# Altium PCB BMS_Slave_12S V0.1.PcbDoc (part 1 of 2) (continued)
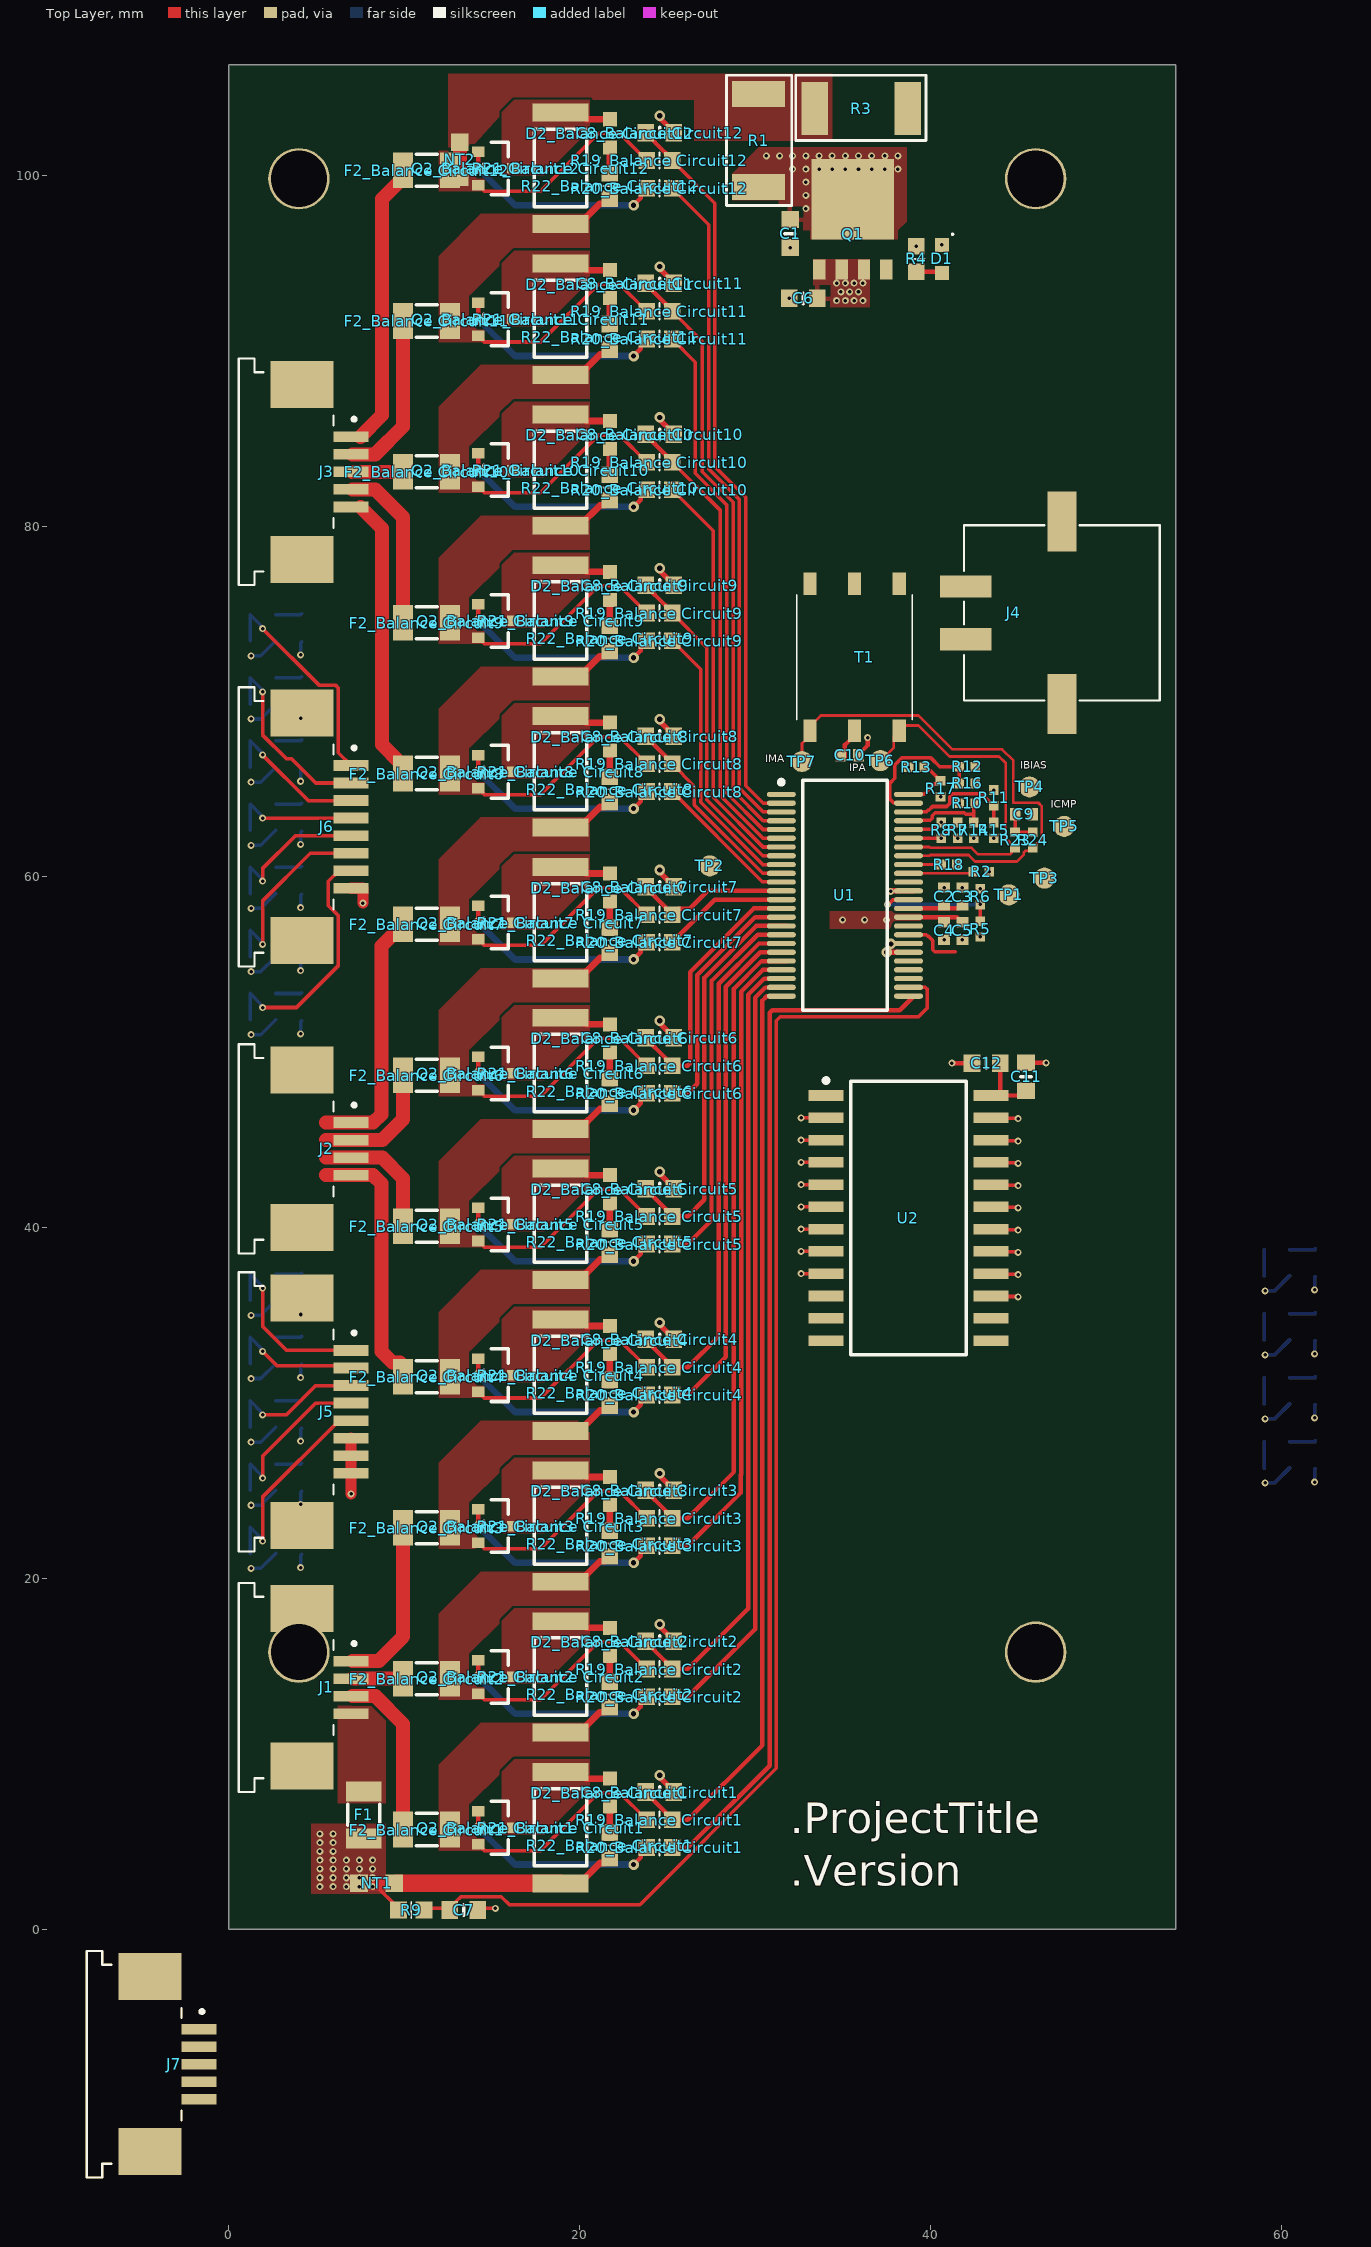
[diagram p0: Top Layer view]
## Design rules (kind name [scope] priority, off if disabled: settings) (continued)
RoomDefinition "NTC Sense7" [InComponentClass('NTC Sense7')] p12: confinementstyle=ConfineIn formatcopy=TRUE lockcomponents=FALSE outline 0.2,54.4 5.2,54.4 5.2,58 0.2,58
RoomDefinition "NTC Sense8" [InComponentClass('NTC Sense8')] p13: confinementstyle=ConfineIn formatcopy=TRUE lockcomponents=FALSE outline 0.2,58 5.2,58 5.2,61.6 0.2,61.6
RoomDefinition "NTC Sense13" [InComponentClass('NTC Sense13')] p14: confinementstyle=ConfineIn formatcopy=TRUE lockcomponents=FALSE outline 58,25.25 63,25.25 63,28.85 58,28.85
RoomDefinition "NTC Sense14" [InComponentClass('NTC Sense14')] p15: confinementstyle=ConfineIn formatcopy=TRUE lockcomponents=FALSE outline 58,28.9 63,28.9 63,32.5 58,32.5
RoomDefinition "NTC Sense16" [InComponentClass('NTC Sense16')] p16: confinementstyle=ConfineIn formatcopy=TRUE lockcomponents=FALSE outline 58,36.2 63,36.2 63,39.8 58,39.8
RoomDefinition "NTC Sense15" [InComponentClass('NTC Sense15')] p17: confinementstyle=ConfineIn formatcopy=TRUE lockcomponents=FALSE outline 58,32.55 63,32.55 63,36.15 58,36.15
RoomDefinition "Balance Circuit12" [InComponentClass('Balance Circuit12')] p18: confinementstyle=ConfineIn formatcopy=TRUE lockcomponents=FALSE outline 8.675,96.09 26.375,96.09 26.375,104.69 8.675,104.69
RoomDefinition "Balance Circuit8" [InComponentClass('Balance Circuit8')] p19: confinementstyle=ConfineIn formatcopy=TRUE lockcomponents=FALSE outline 8.675,61.69 26.375,61.69 26.375,70.29 8.675,70.29
RoomDefinition "Balance Circuit5" [InComponentClass('Balance Circuit5')] p20: confinementstyle=ConfineIn formatcopy=TRUE lockcomponents=FALSE outline 8.675,35.89 26.375,35.89 26.375,44.49 8.675,44.49
RoomDefinition "Balance Circuit4" [InComponentClass('Balance Circuit4')] p21: confinementstyle=ConfineIn formatcopy=TRUE lockcomponents=FALSE outline 8.675,27.29 26.375,27.29 26.375,35.89 8.675,35.89
RoomDefinition "Balance Circuit7" [InComponentClass('Balance Circuit7')] p22: confinementstyle=ConfineIn formatcopy=TRUE lockcomponents=FALSE outline 8.675,53.09 26.375,53.09 26.375,61.69 8.675,61.69
RoomDefinition "Balance Circuit6" [InComponentClass('Balance Circuit6')] p23: confinementstyle=ConfineIn formatcopy=TRUE lockcomponents=FALSE outline 8.675,44.49 26.375,44.49 26.375,53.09 8.675,53.09
RoomDefinition "Balance Circuit9" [InComponentClass('Balance Circuit9')] p24: confinementstyle=ConfineIn formatcopy=TRUE lockcomponents=FALSE outline 8.675,70.29 26.375,70.29 26.375,78.89 8.675,78.89
RoomDefinition "Balance Circuit10" [InComponentClass('Balance Circuit10')] p25: confinementstyle=ConfineIn formatcopy=TRUE lockcomponents=FALSE outline 8.675,78.89 26.375,78.89 26.375,87.49 8.675,87.49
RoomDefinition "Balance Circuit11" [InComponentClass('Balance Circuit11')] p26: confinementstyle=ConfineIn formatcopy=TRUE lockcomponents=FALSE outline 8.675,87.49 26.375,87.49 26.375,96.09 8.675,96.09
RoomDefinition "Balance Circuit1" [InComponentClass('Balance Circuit1')] p27: confinementstyle=ConfineIn formatcopy=TRUE lockcomponents=FALSE outline 8.675,1.49 26.375,1.49 26.375,10.09 8.675,10.09
RoomDefinition "Balance Circuit2" [InComponentClass('Balance Circuit2')] p28: confinementstyle=ConfineIn formatcopy=TRUE lockcomponents=FALSE outline 8.675,10.09 26.375,10.09 26.375,18.69 8.675,18.69
RoutingVias [All] p1: holewidth=0.3 width=0.6 viastyle="Through Hole" minholewidth=0.2 minwidth=0.4 maxholewidth=0.4 maxwidth=0.7
ShortCircuit ShortCircuit_NT [HasFootprint('NetTie')] p1: allowed=TRUE
ShortCircuit [All] p2: allowed=FALSE
SilkToSilkClearance [All] p1: silktosilkclearance=0
SilkToSolderMaskClearance [IsPad] p1: minsilkscreentomaskgap=0.152 clearancetoexposedcopper=TRUE
SolderMaskExpansion SolderMaskExpansion_NT [HasFootprint('NetTie')] p1: expansion=0.102 istentingtop=TRUE
SolderMaskExpansion SolderMaskExpansion_Via [isvia] p2: expansion=0.102 istentingtop=TRUE
SolderMaskExpansion [All] p3: expansion=0.051 istentingtop=FALSE
Width [All] p1: maxlimit=2.54 minlimit=0.152 preferedwidth=0.203
20 further rules are at their usual default settings.

## Classes and differential pairs
channel class "NTC Sense V0.1": "NTC Sense1" "NTC Sense2" "NTC Sense3" "NTC Sense4" "NTC Sense5" "NTC Sense6" "NTC Sense7" "NTC Sense8" "NTC Sense9" "NTC Sense10" "NTC Sense11" "NTC Sense12" "NTC Sense13" "NTC Sense14" "NTC Sense15" "NTC Sense16"
channel class "Balance V0.1": "Balance Circuit1" "Balance Circuit2" "Balance Circuit3" "Balance Circuit4" "Balance Circuit5" "Balance Circuit6" "Balance Circuit7" "Balance Circuit8" "Balance Circuit9" "Balance Circuit10" "Balance Circuit11" "Balance Circuit12"
differential pair class isoSPI: isoSPI. PORTA
net class Vc[12..1]: Vc1 Vc2 Vc3 Vc4 Vc5 Vc6 Vc7 Vc8 Vc9 Vc10 Vc11 Vc12
net class T[12..1]: B2 B3 B4 B5 B6 B7 B8 B9 B10 B11 B12 T12
net class S[12..1]: S1 S2 S3 S4 S5 S6 S7 S8 S9 S10 S11 S12
net class Out[16..1]: Out1 Out2 Out3 Out4 Out5 Out6 Out7 Out8 Out9 Out10 Out11 Out12 Out13 Out14 Out15 Out16
net class NTC[16..1]: NTC1 NTC2 NTC3 NTC4 NTC5 NTC6 NTC7 NTC8 NTC9 NTC10 NTC11 NTC12 NTC13 NTC14 NTC15 NTC16
net class C[12..1]: C1 C2 C3 C4 C5 C6 C7 C8 C9 C10 C11 C12
net class BalanceNetClass: B1 B2 B3 B4 B5 B6 B7 B8 B9 B10 B11 B12 "NetD2_Balance Circuit1_2" "NetD2_Balance Circuit2_2" "NetD2_Balance Circuit3_2" "NetD2_Balance Circuit4_2" "NetD2_Balance Circuit5_2" "NetD2_Balance Circuit6_2" "NetD2_Balance Circuit7_2" "NetD2_Balance Circuit8_2" "NetD2_Balance Circuit9_2" "NetD2_Balance Circuit10_2" "NetD2_Balance Circuit11_2" "NetD2_Balance Circuit12_2" T12
net class B[12..1]: B1 B2 B3 B4 B5 B6 B7 B8 B9 B10 B11 B12
component class "U_Temperature Sensing": C11 C12 J5 J6 J7 U2
component class U_IsoSPI: C1 C6 J2 R1 R3 T1
component class "U_Cell Monitor": C1 C2 C3 C4 C5 D1 F1 J2 J4 NT1 NT2 Q1 R1 R2 R3 R4 R5 R6 R18 S1 TP1 TP2 TP3 TP4 TP5 TP6 TP7 U1
component class "NTC Sense16": "C13_NTC Sense16" "R25_NTC Sense16"
component class "NTC Sense15": "C13_NTC Sense15" "R25_NTC Sense15"
component class "NTC Sense14": "C13_NTC Sense14" "R25_NTC Sense14"
component class "NTC Sense13": "C13_NTC Sense13" "R25_NTC Sense13"
component class "NTC Sense12": "C13_NTC Sense12" "R25_NTC Sense12"
component class "NTC Sense11": "C13_NTC Sense11" "R25_NTC Sense11"
component class "NTC Sense10": "C13_NTC Sense10" "R25_NTC Sense10"
component class "NTC Sense9": "C13_NTC Sense9" "R25_NTC Sense9"
component class "NTC Sense8": "C13_NTC Sense8" "R25_NTC Sense8"
component class "NTC Sense7": "C13_NTC Sense7" "R25_NTC Sense7"
component class "NTC Sense6": "C13_NTC Sense6" "R25_NTC Sense6"
component class "NTC Sense5": "C13_NTC Sense5" "R25_NTC Sense5"
component class "NTC Sense4": "C13_NTC Sense4" "R25_NTC Sense4"
component class "NTC Sense3": "C13_NTC Sense3" "R25_NTC Sense3"
component class "NTC Sense2": "C13_NTC Sense2" "R25_NTC Sense2"
component class "NTC Sense1": "C13_NTC Sense1" "R25_NTC Sense1"
component class "BMS_Slave_12S V0.1": aaa1
component class "Balance Circuit12": "C8_Balance Circuit12" "D2_Balance Circuit12" "F2_Balance Circuit12" "Q2_Balance Circuit12" "R19_Balance Circuit12" "R20_Balance Circuit12" "R21_Balance Circuit12" "R22_Balance Circuit12"
component class "Balance Circuit11": "C8_Balance Circuit11" "D2_Balance Circuit11" "F2_Balance Circuit11" "Q2_Balance Circuit11" "R19_Balance Circuit11" "R20_Balance Circuit11" "R21_Balance Circuit11" "R22_Balance Circuit11"
component class "Balance Circuit10": "C8_Balance Circuit10" "D2_Balance Circuit10" "F2_Balance Circuit10" "Q2_Balance Circuit10" "R19_Balance Circuit10" "R20_Balance Circuit10" "R21_Balance Circuit10" "R22_Balance Circuit10"
component class "Balance Circuit9": "C8_Balance Circuit9" "D2_Balance Circuit9" "F2_Balance Circuit9" "Q2_Balance Circuit9" "R19_Balance Circuit9" "R20_Balance Circuit9" "R21_Balance Circuit9" "R22_Balance Circuit9"
component class "Balance Circuit8": "C8_Balance Circuit8" "D2_Balance Circuit8" "F2_Balance Circuit8" "Q2_Balance Circuit8" "R19_Balance Circuit8" "R20_Balance Circuit8" "R21_Balance Circuit8" "R22_Balance Circuit8"
component class "Balance Circuit7": "C8_Balance Circuit7" "D2_Balance Circuit7" "F2_Balance Circuit7" "Q2_Balance Circuit7" "R19_Balance Circuit7" "R20_Balance Circuit7" "R21_Balance Circuit7" "R22_Balance Circuit7"
component class "Balance Circuit6": "C8_Balance Circuit6" "D2_Balance Circuit6" "F2_Balance Circuit6" "Q2_Balance Circuit6" "R19_Balance Circuit6" "R20_Balance Circuit6" "R21_Balance Circuit6" "R22_Balance Circuit6"
component class "Balance Circuit5": "C8_Balance Circuit5" "D2_Balance Circuit5" "F2_Balance Circuit5" "Q2_Balance Circuit5" "R19_Balance Circuit5" "R20_Balance Circuit5" "R21_Balance Circuit5" "R22_Balance Circuit5"
component class "Balance Circuit4": "C8_Balance Circuit4" "D2_Balance Circuit4" "F2_Balance Circuit4" "Q2_Balance Circuit4" "R19_Balance Circuit4" "R20_Balance Circuit4" "R21_Balance Circuit4" "R22_Balance Circuit4"
component class "Balance Circuit3": "C8_Balance Circuit3" "D2_Balance Circuit3" "F2_Balance Circuit3" "Q2_Balance Circuit3" "R19_Balance Circuit3" "R20_Balance Circuit3" "R21_Balance Circuit3" "R22_Balance Circuit3"
component class "Balance Circuit2": "C8_Balance Circuit2" "D2_Balance Circuit2" "F2_Balance Circuit2" "Q2_Balance Circuit2" "R19_Balance Circuit2" "R20_Balance Circuit2" "R21_Balance Circuit2" "R22_Balance Circuit2"
component class "Balance Circuit1": "C8_Balance Circuit1" "D2_Balance Circuit1" "F2_Balance Circuit1" "Q2_Balance Circuit1" "R19_Balance Circuit1" "R20_Balance Circuit1" "R21_Balance Circuit1" "R22_Balance Circuit1"
differential pair PORTA: +PORTA_P -PORTA_N
differential pair isoSPI.: +isoSPI._P -isoSPI._N

## Components (designator, comment, footprint, x,y, rotation, side; value= is the part's Value field where it differs from the comment)
aaa1 "Tractive voltage symbol" "Tractive voltage" 191.55,78.775 r0 top
C1 "C" C_0603 32,96.675 r90 top value=100nF
C2 "C" C-0402 40.775,58.875 r270 top value=1uF
C3 "C" C-0402 41.825,58.875 r270 top value=100nF
C4 "C" C-0402 40.775,56.925 r90 top value=100nF
C5 "C" C-0402 41.825,56.925 r90 top value=1uF
C6 "C" C_0603 32.75,92.975 r0 top value=1uF
C7 "C" C_0603 13.4,1.1 r180 top value=10nF
"C8_Balance Circuit1" "C" C_0603 24.569,7.828 r180 top value=10nF (schematic designator C8)
"C8_Balance Circuit2" "C" C_0603 24.569,16.428 r180 top value=10nF (schematic designator C8)
"C8_Balance Circuit3" "C" C_0603 24.569,25.028 r180 top value=10nF (schematic designator C8)
"C8_Balance Circuit4" "C" C_0603 24.569,33.628 r180 top value=10nF (schematic designator C8)
"C8_Balance Circuit5" "C" C_0603 24.569,42.228 r180 top value=10nF (schematic designator C8)
"C8_Balance Circuit6" "C" C_0603 24.569,50.828 r180 top value=10nF (schematic designator C8)
"C8_Balance Circuit7" "C" C_0603 24.569,59.428 r180 top value=10nF (schematic designator C8)
"C8_Balance Circuit8" "C" C_0603 24.569,68.028 r180 top value=10nF (schematic designator C8)
"C8_Balance Circuit9" "C" C_0603 24.569,76.628 r180 top value=10nF (schematic designator C8)
"C8_Balance Circuit10" "C" C_0603 24.569,85.228 r180 top value=10nF (schematic designator C8)
"C8_Balance Circuit11" "C" C_0603 24.569,93.828 r180 top value=10nF (schematic designator C8)
"C8_Balance Circuit12" "C" C_0603 24.569,102.428 r180 top value=10nF (schematic designator C8)
C9 "C" C-0402 45.325,63.575 r180 top value=10nF
C10 "C" C-0402 35.4,66.925 r180 top value=10nF
C11 "C" C_0603 45.45,48.6 r90 top value=100nF
C12 "C" C_0603 43.175,49.375 r0 top value=1uF
"C13_NTC Sense1" "C" C_0603 4.15,22.175 r90 bottom value=10nF (schematic designator C13)
"C13_NTC Sense2" "C" C_0603 4.15,25.775 r90 bottom value=10nF (schematic designator C13)
"C13_NTC Sense3" "C" C_0603 4.15,29.375 r90 bottom value=10nF (schematic designator C13)
"C13_NTC Sense4" "C" C_0603 4.15,33 r90 bottom value=10nF (schematic designator C13)
"C13_NTC Sense5" "C" C_0603 4.15,36.6 r90 bottom value=10nF (schematic designator C13)
"C13_NTC Sense6" "C" C_0603 4.15,52.6 r90 bottom value=10nF (schematic designator C13)
"C13_NTC Sense7" "C" C_0603 4.15,56.2 r90 bottom value=10nF (schematic designator C13)
"C13_NTC Sense8" "C" C_0603 4.15,59.8 r90 bottom value=10nF (schematic designator C13)
"C13_NTC Sense9" "C" C_0603 4.15,63.4 r90 bottom value=10nF (schematic designator C13)
"C13_NTC Sense10" "C" C_0603 4.15,67 r90 bottom value=10nF (schematic designator C13)
"C13_NTC Sense11" "C" C_0603 4.15,70.6 r90 bottom value=10nF (schematic designator C13)
"C13_NTC Sense12" "C" C_0603 4.15,74.2 r90 bottom value=10nF (schematic designator C13)
"C13_NTC Sense13" "C" C_0603 61.95,27.05 r90 bottom value=10nF (schematic designator C13)
"C13_NTC Sense14" "C" C_0603 61.95,30.7 r90 bottom value=10nF (schematic designator C13)
"C13_NTC Sense15" "C" C_0603 61.95,34.35 r90 bottom value=10nF (schematic designator C13)
"C13_NTC Sense16" "C" C_0603 61.95,38 r90 bottom value=10nF (schematic designator C13)
D1 "150060SS55040" "LED (0603)" 40.65,95.225 r270 top
"D2_Balance Circuit1" "150060BS55040" "LED (0603)" 21.725,7.79 r90 top (schematic designator D2)
"D2_Balance Circuit2" "150060BS55040" "LED (0603)" 21.725,16.39 r90 top (schematic designator D2)
"D2_Balance Circuit3" "150060BS55040" "LED (0603)" 21.725,24.99 r90 top (schematic designator D2)
"D2_Balance Circuit4" "150060BS55040" "LED (0603)" 21.725,33.59 r90 top (schematic designator D2)
"D2_Balance Circuit5" "150060BS55040" "LED (0603)" 21.725,42.19 r90 top (schematic designator D2)
"D2_Balance Circuit6" "150060BS55040" "LED (0603)" 21.725,50.79 r90 top (schematic designator D2)
"D2_Balance Circuit7" "150060BS55040" "LED (0603)" 21.725,59.39 r90 top (schematic designator D2)
"D2_Balance Circuit8" "150060BS55040" "LED (0603)" 21.725,67.99 r90 top (schematic designator D2)
"D2_Balance Circuit9" "150060BS55040" "LED (0603)" 21.725,76.59 r90 top (schematic designator D2)
"D2_Balance Circuit10" "150060BS55040" "LED (0603)" 21.725,85.19 r90 top (schematic designator D2)
"D2_Balance Circuit11" "150060BS55040" "LED (0603)" 21.725,93.79 r90 top (schematic designator D2)
"D2_Balance Circuit12" "150060BS55040" "LED (0603)" 21.725,102.39 r90 top (schematic designator D2)
F1 "0466.500NR" 0466.500NR 7.7,6.525 r270 top
"F2_Balance Circuit1" "0466.500NR" 0466.500NR 11.275,5.69 r0 top (schematic designator F2)
"F2_Balance Circuit2" "0466.500NR" 0466.500NR 11.275,14.29 r0 top (schematic designator F2)
"F2_Balance Circuit3" "0466.500NR" 0466.500NR 11.275,22.89 r0 top (schematic designator F2)
"F2_Balance Circuit4" "0466.500NR" 0466.500NR 11.275,31.49 r0 top (schematic designator F2)
"F2_Balance Circuit5" "0466.500NR" 0466.500NR 11.275,40.09 r0 top (schematic designator F2)
"F2_Balance Circuit6" "0466.500NR" 0466.500NR 11.275,48.69 r0 top (schematic designator F2)
"F2_Balance Circuit7" "0466.500NR" 0466.500NR 11.275,57.29 r0 top (schematic designator F2)
"F2_Balance Circuit8" "0466.500NR" 0466.500NR 11.275,65.89 r0 top (schematic designator F2)
"F2_Balance Circuit9" "0466.500NR" 0466.500NR 11.275,74.49 r0 top (schematic designator F2)
"F2_Balance Circuit10" "0466.500NR" 0466.500NR 11.275,83.09 r0 top (schematic designator F2)
"F2_Balance Circuit11" "0466.500NR" 0466.500NR 11.275,91.69 r0 top (schematic designator F2)
"F2_Balance Circuit12" "0466.500NR" 0466.500NR 11.275,100.29 r0 top (schematic designator F2)
J1 "84953-4" 84953-4 6.975,13.79 r270 top
J2 "84953-4" 84953-4 6.975,44.49 r270 top
J3 "84953-5" 84953-5 6.975,83.09 r270 top
J4 "2-1445057-2" TE_2-1445057-2 47.5,75.05 r90 top
J5 "84953-8" 84953-8 6.975,29.5 r270 top
J6 "84953-8" 84953-8 6.975,62.85 r270 top
J7 "84953-5" 84953-5 -1.7,-7.69 r270 top
NT1 "NetTie" NetTie 7.425,2.615 r0 top net-tie
NT2 "NetTie" NetTie 13.175,99.875 r90 top net-tie
Q1 "PHPT60603NYX" "LFPAK56 (SOT669)" 35.575,96.625 r0 top
"Q2_Balance Circuit1" "NX2301P,215" FP-SOT23-MFG 15.225,5.79 r0 top (schematic designator Q2)
"Q2_Balance Circuit2" "NX2301P,215" FP-SOT23-MFG 15.225,14.39 r0 top (schematic designator Q2)
"Q2_Balance Circuit3" "NX2301P,215" FP-SOT23-MFG 15.225,22.99 r0 top (schematic designator Q2)
"Q2_Balance Circuit4" "NX2301P,215" FP-SOT23-MFG 15.225,31.59 r0 top (schematic designator Q2)
"Q2_Balance Circuit5" "NX2301P,215" FP-SOT23-MFG 15.225,40.19 r0 top (schematic designator Q2)
"Q2_Balance Circuit6" "NX2301P,215" FP-SOT23-MFG 15.225,48.79 r0 top (schematic designator Q2)
"Q2_Balance Circuit7" "NX2301P,215" FP-SOT23-MFG 15.225,57.39 r0 top (schematic designator Q2)
"Q2_Balance Circuit8" "NX2301P,215" FP-SOT23-MFG 15.225,65.99 r0 top (schematic designator Q2)
"Q2_Balance Circuit9" "NX2301P,215" FP-SOT23-MFG 15.225,74.59 r0 top (schematic designator Q2)
"Q2_Balance Circuit10" "NX2301P,215" FP-SOT23-MFG 15.225,83.19 r0 top (schematic designator Q2)
"Q2_Balance Circuit11" "NX2301P,215" FP-SOT23-MFG 15.225,91.79 r0 top (schematic designator Q2)
"Q2_Balance Circuit12" "NX2301P,215" FP-SOT23-MFG 15.225,100.39 r0 top (schematic designator Q2)
R1 "Resistor" R_2010 30.2,101.975 r90 top value=100
R2 "Resistor" R_0402 42.9,60.3 r0 top value=1M
R3 "Resistor" R_2010 36.05,103.8 r180 top value=100
R4 "Resistor" R-0603 39.2,95.225 r90 top value=1k
R5 "Resistor" R_0402 42.85,57.025 r270 top value=0
R6 "Resistor" R_0402 42.85,58.875 r270 top value=0
R7 "Resistor" R_0402 41.55,62.65 r270 top value=1.21k
R8 "Resistor" R_0402 40.625,62.65 r270 top value=2.8k
R9 "Resistor" R-0603 10.4,1.1 r0 top value=100
R10 "Resistor" R_0402 42.1,64.2 r180 top value=0
R11 "Resistor" R_0402 43.617,64.5 r90 top value=0
R12 "Resistor" R_0402 42.1,66.275 r0 top value=0
R13 "Resistor" R_0402 39.2,66.25 r180 top value=0
R14 "Resistor" R_0402 42.475,62.65 r90 top value=0
R15 "Resistor" R_0402 43.617,62.65 r90 top value=0
R16 "Resistor" R_0402 42.1,65.325 r180 top value=0
R17 "Resistor" R_0402 40.575,65.025 r90 top value=0
R18 "Resistor" R_0402 41.05,60.7 r0 top value=0
"R19_Balance Circuit1" "Resistor" R-0603 24.55,6.24 r0 top value=100 (schematic designator R19)
"R19_Balance Circuit2" "Resistor" R-0603 24.55,14.84 r0 top value=100 (schematic designator R19)
"R19_Balance Circuit3" "Resistor" R-0603 24.55,23.44 r0 top value=100 (schematic designator R19)
"R19_Balance Circuit4" "Resistor" R-0603 24.55,32.04 r0 top value=100 (schematic designator R19)
"R19_Balance Circuit5" "Resistor" R-0603 24.55,40.64 r0 top value=100 (schematic designator R19)
"R19_Balance Circuit6" "Resistor" R-0603 24.55,49.24 r0 top value=100 (schematic designator R19)
"R19_Balance Circuit7" "Resistor" R-0603 24.55,57.84 r0 top value=100 (schematic designator R19)
"R19_Balance Circuit8" "Resistor" R-0603 24.55,66.44 r0 top value=100 (schematic designator R19)
"R19_Balance Circuit9" "Resistor" R-0603 24.55,75.04 r0 top value=100 (schematic designator R19)
"R19_Balance Circuit10" "Resistor" R-0603 24.55,83.64 r0 top value=100 (schematic designator R19)
"R19_Balance Circuit11" "Resistor" R-0603 24.55,92.24 r0 top value=100 (schematic designator R19)
"R19_Balance Circuit12" "Resistor" R-0603 24.55,100.84 r0 top value=100 (schematic designator R19)
"R20_Balance Circuit1" "Resistor" R-0603 24.55,4.665 r0 top value=3.3k (schematic designator R20)
"R20_Balance Circuit2" "Resistor" R-0603 24.55,13.265 r0 top value=3.3k (schematic designator R20)
"R20_Balance Circuit3" "Resistor" R-0603 24.55,21.865 r0 top value=3.3k (schematic designator R20)
"R20_Balance Circuit4" "Resistor" R-0603 24.55,30.465 r0 top value=3.3k (schematic designator R20)
"R20_Balance Circuit5" "Resistor" R-0603 24.55,39.065 r0 top value=3.3k (schematic designator R20)
"R20_Balance Circuit6" "Resistor" R-0603 24.55,47.665 r0 top value=3.3k (schematic designator R20)
"R20_Balance Circuit7" "Resistor" R-0603 24.55,56.265 r0 top value=3.3k (schematic designator R20)
"R20_Balance Circuit8" "Resistor" R-0603 24.55,64.865 r0 top value=3.3k (schematic designator R20)
"R20_Balance Circuit9" "Resistor" R-0603 24.55,73.465 r0 top value=3.3k (schematic designator R20)
"R20_Balance Circuit10" "Resistor" R-0603 24.55,82.065 r0 top value=3.3k (schematic designator R20)
"R20_Balance Circuit11" "Resistor" R-0603 24.55,90.665 r0 top value=3.3k (schematic designator R20)
"R20_Balance Circuit12" "Resistor" R-0603 24.55,99.265 r0 top value=3.3k (schematic designator R20)
"R21_Balance Circuit1" "Resistor" R_2512 18.919,5.79 r90 top value=R (schematic designator R21)
"R21_Balance Circuit2" "Resistor" R_2512 18.919,14.39 r90 top value=R (schematic designator R21)
"R21_Balance Circuit3" "Resistor" R_2512 18.919,22.99 r90 top value=R (schematic designator R21)
"R21_Balance Circuit4" "Resistor" R_2512 18.919,31.59 r90 top value=R (schematic designator R21)
"R21_Balance Circuit5" "Resistor" R_2512 18.919,40.19 r90 top value=R (schematic designator R21)
"R21_Balance Circuit6" "Resistor" R_2512 18.919,48.79 r90 top value=R (schematic designator R21)
"R21_Balance Circuit7" "Resistor" R_2512 18.919,57.39 r90 top value=R (schematic designator R21)
"R21_Balance Circuit8" "Resistor" R_2512 18.919,65.99 r90 top value=R (schematic designator R21)
"R21_Balance Circuit9" "Resistor" R_2512 18.919,74.59 r90 top value=R (schematic designator R21)
"R21_Balance Circuit10" "Resistor" R_2512 18.919,83.19 r90 top value=R (schematic designator R21)
"R21_Balance Circuit11" "Resistor" R_2512 18.919,91.79 r90 top value=R (schematic designator R21)
"R21_Balance Circuit12" "Resistor" R_2512 18.919,100.39 r90 top value=R (schematic designator R21)
"R22_Balance Circuit1" "Resistor" R-0603 21.725,4.79 r90 top value=1k (schematic designator R22)
"R22_Balance Circuit2" "Resistor" R-0603 21.725,13.39 r90 top value=1k (schematic designator R22)
"R22_Balance Circuit3" "Resistor" R-0603 21.725,21.99 r90 top value=1k (schematic designator R22)
"R22_Balance Circuit4" "Resistor" R-0603 21.725,30.59 r90 top value=1k (schematic designator R22)
"R22_Balance Circuit5" "Resistor" R-0603 21.725,39.19 r90 top value=1k (schematic designator R22)
"R22_Balance Circuit6" "Resistor" R-0603 21.725,47.79 r90 top value=1k (schematic designator R22)
"R22_Balance Circuit7" "Resistor" R-0603 21.725,56.39 r90 top value=1k (schematic designator R22)
"R22_Balance Circuit8" "Resistor" R-0603 21.725,64.99 r90 top value=1k (schematic designator R22)
"R22_Balance Circuit9" "Resistor" R-0603 21.725,73.59 r90 top value=1k (schematic designator R22)
"R22_Balance Circuit10" "Resistor" R-0603 21.725,82.19 r90 top value=1k (schematic designator R22)
"R22_Balance Circuit11" "Resistor" R-0603 21.725,90.79 r90 top value=1k (schematic designator R22)
"R22_Balance Circuit12" "Resistor" R-0603 21.725,99.39 r90 top value=1k (schematic designator R22)
R23 "Resistor" R_0402 44.825,62.1 r270 top value=51
R24 "Resistor" R_0402 45.825,62.1 r270 top value=51
"R25_NTC Sense1" "Resistor" R-0603 1.95,21.425 r0 bottom value=10k (schematic designator R25)
"R25_NTC Sense2" "Resistor" R-0603 1.95,25.025 r0 bottom value=10k (schematic designator R25)
"R25_NTC Sense3" "Resistor" R-0603 1.95,28.625 r0 bottom value=10k (schematic designator R25)
"R25_NTC Sense4" "Resistor" R-0603 1.95,32.25 r0 bottom value=10k (schematic designator R25)
"R25_NTC Sense5" "Resistor" R-0603 1.95,35.85 r0 bottom value=10k (schematic designator R25)
"R25_NTC Sense6" "Resistor" R-0603 1.95,51.85 r0 bottom value=10k (schematic designator R25)
"R25_NTC Sense7" "Resistor" R-0603 1.95,55.45 r0 bottom value=10k (schematic designator R25)
"R25_NTC Sense8" "Resistor" R-0603 1.95,59.05 r0 bottom value=10k (schematic designator R25)
"R25_NTC Sense9" "Resistor" R-0603 1.95,62.65 r0 bottom value=10k (schematic designator R25)
"R25_NTC Sense10" "Resistor" R-0603 1.95,66.25 r0 bottom value=10k (schematic designator R25)
"R25_NTC Sense11" "Resistor" R-0603 1.95,69.85 r0 bottom value=10k (schematic designator R25)
"R25_NTC Sense12" "Resistor" R-0603 1.95,73.45 r0 bottom value=10k (schematic designator R25)
"R25_NTC Sense13" "Resistor" R-0603 59.75,26.3 r0 bottom value=10k (schematic designator R25)
"R25_NTC Sense14" "Resistor" R-0603 59.75,29.95 r0 bottom value=10k (schematic designator R25)
"R25_NTC Sense15" "Resistor" R-0603 59.75,33.6 r0 bottom value=10k (schematic designator R25)
"R25_NTC Sense16" "Resistor" R-0603 59.75,37.25 r0 bottom value=10k (schematic designator R25)
"R26_NTC Sense1" "Resistor" R-0603 1.95,22.925 r180 bottom value=100 (schematic designator R26)
"R26_NTC Sense2" "Resistor" R-0603 1.95,26.525 r180 bottom value=100 (schematic designator R26)
"R26_NTC Sense3" "Resistor" R-0603 1.95,30.125 r180 bottom value=100 (schematic designator R26)
"R26_NTC Sense4" "Resistor" R-0603 1.95,33.75 r180 bottom value=100 (schematic designator R26)
"R26_NTC Sense5" "Resistor" R-0603 1.95,37.35 r180 bottom value=100 (schematic designator R26)
"R26_NTC Sense6" "Resistor" R-0603 1.95,53.35 r180 bottom value=100 (schematic designator R26)
"R26_NTC Sense7" "Resistor" R-0603 1.95,56.95 r180 bottom value=100 (schematic designator R26)
"R26_NTC Sense8" "Resistor" R-0603 1.95,60.55 r180 bottom value=100 (schematic designator R26)
"R26_NTC Sense9" "Resistor" R-0603 1.95,64.15 r180 bottom value=100 (schematic designator R26)
"R26_NTC Sense10" "Resistor" R-0603 1.95,67.75 r180 bottom value=100 (schematic designator R26)
"R26_NTC Sense11" "Resistor" R-0603 1.95,71.35 r180 bottom value=100 (schematic designator R26)
"R26_NTC Sense12" "Resistor" R-0603 1.95,74.95 r180 bottom value=100 (schematic designator R26)
"R26_NTC Sense13" "Resistor" R-0603 59.75,27.8 r180 bottom value=100 (schematic designator R26)
"R26_NTC Sense14" "Resistor" R-0603 59.75,31.45 r180 bottom value=100 (schematic designator R26)
"R26_NTC Sense15" "Resistor" R-0603 59.75,35.1 r180 bottom value=100 (schematic designator R26)
"R26_NTC Sense16" "Resistor" R-0603 59.75,38.75 r180 bottom value=100 (schematic designator R26)
S1 "2x7Segment" 2x7Segment 194.708,125.501 r90 top
T1 "SM91502ALE" SM91502ALE 38.215,76.705 r180 top
TP1 "VREF1" "Test Point" 44.475,58.975 r0 top
TP2 "VREF2" "Test Point" 27.425,60.625 r0 top
TP3 "5V0" "Test Point" 46.5,59.925 r0 top
TP4 "IBIAS" "Test Point" 45.65,65.125 r0 top
TP5 "ICMP" "Test Point" 47.625,62.875 r0 top
TP6 "IPA" "Test Point" 37.15,66.625 r0 top
TP7 "IMA" "Test Point" 32.675,66.575 r0 top
U1 "LTC6811-2" SSOP50P780X200-48N 35.125,58.95 r0 top
U2 "CD74HC4067M96" SOIC127P1030X265-24N 38.75,40.55 r0 top

## Footprints (in the part's own frame and the unit in brackets; to place one, negate y for a bottom-side part, rotate by r counter-clockwise, add the part's x,y. Pads: shape width x height; smd on the part's side, far side on the other; paste and mask are expansions set on the pad)
2x7Segment [mm] "2x7Segment"
  silkscreen extent 0.24,-0.01 17.17,12.8
0466.500NR [mm] "500mA Fast Acting Fuse"
  rect 1.14x2.03 smd: 1(-1.335,0) 2(1.335,0)
  silkscreen extent -0.6,-0.92 0.6,0.91, body extent -1.59,-0.76 1.59,0.76, height 0.58
84953-4 [mm] "FPC Connectors, Flex-to-Board, 4 Position, Right Angle, Surface Mount"
  rect 0.61x2 smd: 1(-1.5,0) 2(-0.5,0) 3(0.5,0) 4(1.5,0)
  rect 2.68x3.6 smd: S1(-4.49,-2.8) S2(4.49,-2.8)
  silkscreen extent -5.96,-6.4 5.96,0.27, body extent -5.96,-6.44 5.96,0.11, height 2.59
84953-5 [mm] "FPC Connectors, Flex-to-Board, 5 Position, Right Angle, Surface Mount"
  rect 0.61x2 smd: 1(-2,0) 2(-1,0) 3(0,0) 4(1,0) 5(2,0)
  rect 2.68x3.6 smd: S1(-4.99,-2.8) S2(4.99,-2.8)
  silkscreen extent -6.46,-6.4 6.46,0.27, body extent -6.47,-6.44 6.47,0.11, height 2.59
84953-8 [mm] "FPC Connectors, 8POS"
  rect 0.61x2 smd: 1(-3.5,0) 2(-2.5,0) 3(-1.5,0) 4(-0.5,0) 5(0.5,0) 6(1.5,0) 7(2.5,0) 8(3.5,0)
  rect 2.68x3.6 smd: S1(-6.49,-2.8) S2(6.49,-2.8)
  silkscreen extent -7.96,-6.4 7.96,0.27, body extent -7.96,-6.44 7.97,0.11, height 2.59
C-0402 [mm] "0402 Capacitor"
  rect 0.6x0.7 smd: 1(-0.5,0) 2(0.5,0)
  body extent -0.55,-0.3 0.55,0.3, height 0.5
C_0603 [mm] "0603 Capacitor"
  rect 0.95x1 smd: 1(-0.8,0) 2(0.8,0)
  silkscreen extent 0,-0.3 0,0.3, body extent -0.87,-0.48 0.88,0.48, height 0.9
FP-SOT23-MFG [mm]
  rect 0.7x0.6 smd paste-1000 mask+0: 1(-1,0.95) 2(-1,-0.95) 3(1,0)
  silkscreen extent -0.7,-1.5 0.7,1.5, body extent -1.5,-1.65 1.5,1.65, height 0.25
"LED (0603)" [mm]
  rect 0.8x0.8 smd: 1(-0.8,0) 2(0.8,0)
  silkscreen extent -1.46,0.56 -1.36,0.66, body extent -0.8,-0.4 0.8,0.4, height 0.41
"LFPAK56 (SOT669)" [mm] "4 Lead SOT"
  rect 0.7x1.15 smd: 1(-1.905,-2) 2(-0.635,-2) 3(0.635,-2) 4(1.905,-2)
  rect 4.7x4.6 smd: 5(0,2)
  body extent -2.5,-2.47 2.5,4.3, height 1.21
NetTie [mm] "NetTie"
  rect 1x1 smd mask+0.051: 1(0,0) 2(2,0)
  Top Layer region: 0.4,-0.4 1.6,-0.4 1.6,0.4 0.4,0.4
R-0603 [mm] "0603 Chip Resistor"
  rect 0.95x0.95 smd: 1(-0.725,0) 2(0.725,0)
  silkscreen extent 0,-0.48 0,0.48, body extent -0.85,-0.48 0.85,0.48, height 0.55
R_0402 [mm] "Chip Resistor, 2-Leads, Body 1.00x0.50mm, IPC Medium Density"
  rect 0.55x0.55 smd: 1(-0.45,0) 2(0.45,0)
  body extent -0.52,-0.27 0.53,0.28, height 0.32
R_2010 [mm]
  rect 1.5x3 smd: 1(-2.65,0) 2(2.65,0)
  silkscreen extent -3.7,-1.9 3.72,1.83, body extent -2.5,-1.25 2.5,1.25, height 0.61
R_2512 [mm] "2512 Resistor"
  rect 1.02x3.18 smd: 1(-3.175,0) 2(3.175,0)
  silkscreen extent -2.17,-1.5 2.22,1.5, body extent -3.15,-1.63 3.2,1.63, height 0.62
SM91502ALE [mm]
  rect 0.76x1.27 smd: 1(0,0) 2(2.54,0) 3(5.08,0) 4(5.08,8.38) 5(2.54,8.38) 6(0,8.38)
  round 0.3 on Top Overlay: ""(-1.15,0.725)
  silkscreen extent -0.75,0.62 5.83,7.75, body extent -1.28,-0.22 6.34,8.67, height 5.73
SOIC127P1030X265-24N [mm] "SOIC, 24-Leads, Body 15.40x7.50mm, Pitch 1.27mm, IPC Medium Density"
  rect 2x0.6 smd: 1(-4.7,6.985) 2(-4.7,5.715) 3(-4.7,4.445) 4(-4.7,3.175) 5(-4.7,1.905) 6(-4.7,0.635) 7(-4.7,-0.635) 8(-4.7,-1.905) 9(-4.7,-3.175) 10(-4.7,-4.445) 11(-4.7,-5.715) 12(-4.7,-6.985) 13(4.7,-6.985) 14(4.7,-5.715) 15(4.7,-4.445) 16(4.7,-3.175) 17(4.7,-1.905) 18(4.7,-0.635) 19(4.7,0.635) 20(4.7,1.905) 21(4.7,3.175) 22(4.7,4.445) 23(4.7,5.715) 24(4.7,6.985)
  silkscreen extent -4.82,-7.8 3.3,7.96, body extent -5.15,-7.8 5.15,7.8, height 2.65
SSOP50P780X200-48N [mm] "SSOP, 48-Leads, Body 12.80x5.30mm, Pitch 0.50mm, IPC Medium Density"
  oval 1.65x0.3 smd: 1(-3.625,5.75) 2(-3.625,5.25) 3(-3.625,4.75) 4(-3.625,4.25) 5(-3.625,3.75) 6(-3.625,3.25) 7(-3.625,2.75) 8(-3.625,2.25) 9(-3.625,1.75) 10(-3.625,1.25) 11(-3.625,0.75) 12(-3.625,0.25) 13(-3.625,-0.25) 14(-3.625,-0.75) 15(-3.625,-1.25) 16(-3.625,-1.75) 17(-3.625,-2.25) 18(-3.625,-2.75) 19(-3.625,-3.25) 20(-3.625,-3.75) 21(-3.625,-4.25) 22(-3.625,-4.75) 23(-3.625,-5.25) 24(-3.625,-5.75) 25(3.625,-5.75) 26(3.625,-5.25) 27(3.625,-4.75) 28(3.625,-4.25) 29(3.625,-3.75) 30(3.625,-3.25) 31(3.625,-2.75) 32(3.625,-2.25) 33(3.625,-1.75) 34(3.625,-1.25) 35(3.625,-0.75) 36(3.625,-0.25) 37(3.625,0.25) 38(3.625,0.75) 39(3.625,1.25) 40(3.625,1.75) 41(3.625,2.25) 42(3.625,2.75) 43(3.625,3.25) 44(3.625,3.75) 45(3.625,4.25) 46(3.625,4.75) 47(3.625,5.25) 48(3.625,5.75)
  silkscreen extent -3.75,-6.55 2.4,6.57, body extent -3.9,-6.55 3.9,6.55, height 2
TE_2-1445057-2 [mm]
  rect 1.27x2.92 smd: 1(1.5,5.48) 2(-1.5,5.48)
  rect 3.43x1.65 smd: P1(5.205,0) P2(-5.205,0)
  silkscreen extent -5,-5.58 5,5.58, body extent -6.62,-4.57 6.62,6.59, height 5.68
"Test Point" [mm] "1.2mm Test point"
  round 1.2 smd: 1(0,0)
"Tractive voltage" [mm]
  silkscreen extent -10.78,-9.46 10.48,9.09

## Part data
C1 C6: library part Capacitor, "Capacitor", Voltage=>60V, ComponentLink1Description="New link"
C2 C3 C4 C5 C9 C10 C11 C12 "C13_NTC Sense1" "C13_NTC Sense2" "C13_NTC Sense3" "C13_NTC Sense4" "C13_NTC Sense5" "C13_NTC Sense6" "C13_NTC Sense7" "C13_NTC Sense8" "C13_NTC Sense9" "C13_NTC Sense10" "C13_NTC Sense11" "C13_NTC Sense12" "C13_NTC Sense13" "C13_NTC Sense14" "C13_NTC Sense15" "C13_NTC Sense16": library part Capacitor, "Capacitor", ComponentLink1Description="New link"
C7: library part Capacitor, "Capacitor", Voltage=<50.4V, ComponentLink1Description="New link"
"C8_Balance Circuit1" "C8_Balance Circuit2" "C8_Balance Circuit3" "C8_Balance Circuit4" "C8_Balance Circuit5" "C8_Balance Circuit6" "C8_Balance Circuit7" "C8_Balance Circuit8" "C8_Balance Circuit9" "C8_Balance Circuit10" "C8_Balance Circuit11" "C8_Balance Circuit12": library part Capacitor, "Capacitor", Voltage=>50.4V, ComponentLink1Description="New link"
D1: "LED RED DIFFUSED 0603 SMD", Case Code (Imperial)=0603, Case Code (Metric)=1608, Color=Red, Forward Voltage=2V, Manufacturer="Wurth Electronics", Supplier Part Number 1=710-150060SS55040, Test Current=20mA, Case/Package=0603, Category=LEDs, Dominant Wavelength=630nm, Height=0.5mm, Length=1.6mm, Lens Size=0.8mm, Lens Style=Flat, Lens Transparency=Diffused, Luminous Intensity=70mcd, Manufacturer Part Number=150060SS55040, Mount="Surface Mount", Packaging="Tape and Reel", Pricing 1="1=0.18000, 10=0.16800, 50=0.16800, 100=0.15200, 1000=0.12100, 10000=0.10600 (USD)", RoHS=No, RoHS Compliant=No, Stock 1=17006, Supplier 1=Mouser, Viewing Angle=140°, Width=0.8mm
"D2_Balance Circuit1" "D2_Balance Circuit2" "D2_Balance Circuit3" "D2_Balance Circuit4" "D2_Balance Circuit5" "D2_Balance Circuit6" "D2_Balance Circuit7" "D2_Balance Circuit8" "D2_Balance Circuit9" "D2_Balance Circuit10" "D2_Balance Circuit11" "D2_Balance Circuit12": "LED BLUE DIFFUSED 0603 SMD", Case/Package=0603, Color=Blue, Forward Voltage=3.2V, Manufacturer="Wurth Electronics", Supplier Part Number 1=710-150060BS55040, Test Current=20mA, ComponentLink1Description=http://www.farnell.com/datasheets/2621640.pdf?src-supplier=Farnell, ComponentLink1URL=http://www.farnell.com/datasheets/2621640.pdf?src-supplier=Farnell, ComponentLink2Description=https://www.we-online.de/web/en/index.php/download/media/07_electronic_components/download_center_1/application_notes_berichte/ano002_leds___the_future_of_horticultural_lighting/ANO002b_EN_LEDs_The_Future_of_Horticultural_Lighting.pdf?src-supplier=Digi-Key, ComponentLink2URL=https://www.we-online.de/web/en/index.php/download/media/07_electronic_components/download_center_1/application_notes_berichte/ano002_leds___the_future_of_horticultural_lighting/ANO002b_EN_LEDs_The_Future_of_Horticultural_Lighting.pdf?src-supplier=Digi-Key, ComponentLink3Description=https://katalog.we-online.de/pbs/datasheet/150060BS55040.pdf?src-supplier=Digi-Key, ComponentLink3URL=https://katalog.we-online.de/pbs/datasheet/150060BS55040.pdf?src-supplier=Digi-Key, ComponentLink4Description=http://www.farnell.com/datasheets/2621640.pdf?src-supplier=Newark, ComponentLink4URL=http://www.farnell.com/datasheets/2621640.pdf?src-supplier=Newark, Dominant Wavelength=470nm, Height=0.5mm, Length=1.6mm, Lens Size=0.8mm, Lens Style=Flat, Lens Transparency=Diffused, Luminous Intensity=80mcd, Manufacturer Part Number=150060BS55040, Mount="Surface Mount", Packaging="Tape and Reel", Pricing 1="1=0.18000, 10=0.16800, 50=0.16800, 100=0.15200, 1000=0.12100, 10000=0.10600 (USD)", RoHS=No, RoHS Compliant=No, Supplier 1=Mouser, Viewing Angle=140°, Width=0.8mm
F1 "F2_Balance Circuit1" "F2_Balance Circuit2" "F2_Balance Circuit3" "F2_Balance Circuit4" "F2_Balance Circuit5" "F2_Balance Circuit6" "F2_Balance Circuit7" "F2_Balance Circuit8" "F2_Balance Circuit9" "F2_Balance Circuit10" "F2_Balance Circuit11" "F2_Balance Circuit12": library part "Fuse 2", "LITTELFUSE - 0466.500NR - Fuse, Surface Mount, 500 mA, 466 Series, 63 VAC, 63 VDC, Very Fast Acting, 1206", Case Code (Imperial)=1206, Case Code (Metric)=3216, Current Rating=500mA, DC Cold Resistance=248mR, Manufacturer=Littelfuse, Max Operating Temperature=90°C, Min Operating Temperature=-55°C, Package Quantity=5000, Resistance=350mR, Supplier Part Number 1=576-0466.500NR, Voltage Rating=63V, Approvals=UL,CSA, Body Material=Thermoplastic, Case/Package=1206, Category=Fuses, ComponentLink1Description=https://datasheet.ciiva.com/17081/0466-500nr-17081083.pdf?src-supplier=Allied+Electronics, ComponentLink1URL=https://datasheet.ciiva.com/17081/0466-500nr-17081083.pdf?src-supplier=Allied+Electronics, ComponentLink2Description=https://datasheet.ciiva.com/16327/littelfuse-fuse-466-16327478.pdf?src-supplier=Future+Electronics, ComponentLink2URL=https://datasheet.ciiva.com/16327/littelfuse-fuse-466-16327478.pdf?src-supplier=Future+Electronics, ComponentLink3Description=https://datasheet.ciiva.com/299/466seriesdrawing-299207.pdf?src-supplier=Digi-Key, ComponentLink3URL=https://datasheet.ciiva.com/299/466seriesdrawing-299207.pdf?src-supplier=Digi-Key, ComponentLink4Description=https://datasheet.ciiva.com/299/466seriesdrawing-299208.pdf?src-supplier=Digi-Key, ComponentLink4URL=https://datasheet.ciiva.com/299/466seriesdrawing-299208.pdf?src-supplier=Digi-Key, ComponentLink5Description=https://datasheet.ciiva.com/299/466seriesdrawing-299209.pdf?src-supplier=Digi-Key, ComponentLink5URL=https://datasheet.ciiva.com/299/466seriesdrawing-299209.pdf?src-supplier=Digi-Key, ComponentLink6Description=https://datasheet.ciiva.com/14102/ei466-dat-e-14102891.pdf?src-supplier=Distrelec, ComponentLink6URL=https://datasheet.ciiva.com/14102/ei466-dat-e-14102891.pdf?src-supplier=Distrelec, ComponentLink7Description=https://datasheet.ciiva.com/15186/getdatasheetpartid-57351-15186924.pdf?src-supplier=Verical, ComponentLink7URL=https://datasheet.ciiva.com/15186/getdatasheetpartid-57351-15186924.pdf?src-supplier=Verical, Depth=1.52mm, Fuse Current=500mA, Fuse Type="Board Mount (Cartridge Style Excluded)", Height=0.023inch, Housing Material=Ceramic, LatestRevisionDate=17-Jul-2002, LatestRevisionNote="Re-released for DXP Platform.", Lead Free="Lead Free", Length=3.18mm, Manufacturer Part Number=0466.500NR, Mount="Surface Mount", Number of Pins=2, PackageDescription="Thru-Hole; 2 Leads", PackageReference=PIN-W2/E2.8, Packaging="Tape and Reel", Pricing 1="1=0.77000, 10=0.59200, 50=0.59200, 100=0.48900, 1000=0.41600, 10000=0.39000 (USD)", Published=8-Jun-2000, Publisher="Altium Limited", Radiation Hardening=No, REACH SVHC=Unknown, RoHS=Yes, RoHS Compliant=Yes, Series=466, Stock 1=36497, Supplier 1=Mouser, Terminal Material=Copper, Termination=SMD/SMT, Voltage Rating (AC)=63V, Voltage Rating (DC)=63V, Width=0.06inch, Working Voltage=63V
J1 J2: "FPC Connectors, Flex-to-Board, 4 Position, .039 in [1 mm] Centerline, Zero Insertion Force (ZIF), Right Angle, Surface Mount", Package=None, Availability=Unavailable, MF="{'manufacturer': u'TE Connectivity'}", MP=84953-4, Price=None
J3 J7: "FPC Connectors, Flex-to-Board, 5 Position, .039 in [1 mm] Centerline, Zero Insertion Force (ZIF), Right Angle, Surface Mount."
J4: "CONN HEADER 3MM 2POS R/A TIN SMD", Package=None, Availability=Unavailable, MF="{'manufacturer': u'TE Connectivity'}", MP=2-1445057-2, Price=None
J5 J6: "FPC Connectors, Flex-to-Board, 8 Position, .039 in [1 mm] Centerline, Zero Insertion Force (ZIF), Right Angle, Surface Mount", Color=Natural, Contact Current Rating=1A, Flammability Rating="UL94 V-0", Manufacturer="TE Connectivity", Max Operating Temperature=85°C, Min Operating Temperature=-40°C, Package Quantity=1500, Supplier Part Number 1=5351707P, Voltage Rating=200V, Body Plating=Tin, Category="FFC / FPC", ComponentLink1Description=https://datasheet.ciiva.com/11745/0900766b806b36e9-11745458.pdf?src-supplier=RSComponents, ComponentLink1URL=https://datasheet.ciiva.com/11745/0900766b806b36e9-11745458.pdf?src-supplier=RSComponents, ComponentLink2Description=https://datasheet.ciiva.com/669/eng-cd-84953-a3-669123.pdf?src-supplier=Digi-Key, ComponentLink2URL=https://datasheet.ciiva.com/669/eng-cd-84953-a3-669123.pdf?src-supplier=Digi-Key, ComponentLink3Description=https://datasheet.ciiva.com/669/eng-cd-84953-a3-669124.pdf?src-supplier=Digi-Key, ComponentLink3URL=https://datasheet.ciiva.com/669/eng-cd-84953-a3-669124.pdf?src-supplier=Digi-Key, ComponentLink4Description=https://datasheet.ciiva.com/14483/eng-ds-1-1773440-6-0506-14483319.pdf?src-supplier=Farnell, ComponentLink4URL=https://datasheet.ciiva.com/14483/eng-ds-1-1773440-6-0506-14483319.pdf?src-supplier=Farnell, ComponentLink5Description=https://datasheet.ciiva.com/26825/getdatasheetpartid-473787-26825575.pdf?src-supplier=Verical, ComponentLink5URL=https://datasheet.ciiva.com/26825/getdatasheetpartid-473787-26825575.pdf?src-supplier=Verical, ComponentLink6Description=https://datasheet.ciiva.com/8066/586796-8066664.pdf?src-supplier=Element14, ComponentLink6URL=https://datasheet.ciiva.com/8066/586796-8066664.pdf?src-supplier=Element14, ComponentLink7Description=https://datasheet.ciiva.com/669/eng-cd-84953-a3-669122.pdf?src-supplier=Digi-Key, ComponentLink7URL=https://datasheet.ciiva.com/669/eng-cd-84953-a3-669122.pdf?src-supplier=Digi-Key, ComponentLink8Description=https://datasheet.ciiva.com/16658/eng-ds-1-1773440-6-0506-16658613.pdf?src-supplier=Avnet+Europe, ComponentLink8URL=https://datasheet.ciiva.com/16658/eng-ds-1-1773440-6-0506-16658613.pdf?src-supplier=Avnet+Europe, ComponentLink9Description=https://datasheet.ciiva.com/8066/586796-8066666.pdf?src-supplier=Element14, ComponentLink9URL=https://datasheet.ciiva.com/8066/586796-8066666.pdf?src-supplier=Element14, ComponentLink10Description=https://datasheet.ciiva.com/30100/eng-ds-1-1773440-6-0506-30100492.pdf?src-supplier=Onlinecomponents.com, ComponentLink10URL=https://datasheet.ciiva.com/30100/eng-ds-1-1773440-6-0506-30100492.pdf?src-supplier=Onlinecomponents.com, ComponentLink11Description=https://datasheet.ciiva.com/10034/eng-ds-1-1773440-6-0506-10034351.pdf?src-supplier=Avnet, ComponentLink11URL=https://datasheet.ciiva.com/10034/eng-ds-1-1773440-6-0506-10034351.pdf?src-supplier=Avnet, Connector System=Flex-to-Board, Connector Type=Receptacle,Connector,Socket, Contact Location=Top, Contact Material=Bronze, Contact Plating=Tin,Bright, Current Rating=1A, Depth=2.56mm, Gender=Female, Height=2.56mm, Housing Color=Natural, Housing Material=Polymer, Lead Pitch=1mm, Length=0.6268inch, Manufacturer Part Number=84953-8, Material=Thermoplastic, Mating Alignment="Yes (With)", Mount="Surface Mount", Number of Contacts=8, Number of Positions=8, Number of Rows=1, Orientation="Right Angle", Packaging="Tape and Reel", PCB Mount Alignment="No (Without)", PCB Mount Retention=With, PCB Mounting Orientation="Right Angle", Pitch=0.039inch, Plating Thickness=2um, Pricing 1="10=0.83500, 200=0.65000, 750=0.58600, 3000=0.55400, 6000=0.54000 (USD)", Radiation Hardening=No, REACH SVHC="No SVHC", RoHS=Yes, Sealable="No (Without)", Shielding=Unshielded, Shrouded="Yes (With)", Stock 1=1, Supplier 1=RSComponents, Termination=SMD/SMT, Width=0.2575inch, Wire/Cable Type="Flat Flex"
Q1: "60V, 3 A NPN high power bipolar transistor"
"Q2_Balance Circuit1" "Q2_Balance Circuit2" "Q2_Balance Circuit3" "Q2_Balance Circuit4" "Q2_Balance Circuit5" "Q2_Balance Circuit6" "Q2_Balance Circuit7" "Q2_Balance Circuit8" "Q2_Balance Circuit9" "Q2_Balance Circuit10" "Q2_Balance Circuit11" "Q2_Balance Circuit12": library part CMP-14409-000018-1, "MOSFET P-CH 20V 2A TO-236AB"
T1: "BMS XFORMER 1-CH 1000V AECQ +125", Inductance=150uH, Manufacturer=Bourns, Max Operating Temperature=125°C, Min Operating Temperature=-40°C, Supplier Part Number 1=1802382, Category=Transformers, ComponentLink1Description=https://www.bourns.com/docs/Product-Datasheets/SM91502AL.pdf?src-supplier=Digi-Key, ComponentLink1URL=https://www.bourns.com/docs/Product-Datasheets/SM91502AL.pdf?src-supplier=Digi-Key, Manufacturer Part Number=SM91502ALE, Mount="Surface Mount", Packaging="Cut Tape", Pricing 1="800=2.35100 (USD)", RoHS=Yes, Stock 1=1, Supplier 1=RSComponents, Turns Ratio=1:1
TP1 TP2 TP3 TP4 TP5 TP6 TP7: library part "Test Point", "1.2mm Test point"
U1: "12 Channel Multicell Battery Monitor with Addressable Interface"
U2: "High-Speed CMOS Logic / 16-Channel Analog Multiplexer/Demultiplexer"

## Free pads (board coordinates)
  round 3.5 hole 3.2 unplated: MH1(4,99.8) MH1(46,99.8) MH2(4,15.8) MH2(46,15.8)

## Via types
v1: diameter 0.4, hole 0.2, Top Layer to Bottom Layer, tented both sides, 155 vias
v2: diameter 0.6, hole 0.3, Top Layer to Bottom Layer, tented both sides, 38 vias

## Nets (pads, with @x,y where several pads share a name; then routed paths per layer and width w, separated by ;. In a path a pad name is that pad's centre, name@x,y a point inside that pad or via, vN(x,y) a via of type N, cw(c..) or ccw(c..) an arc to the next point about the centre after c; other vN are vias at no path point)
5V0: C6.2 C11.1 C12.2 Q1.1 Q1.2 Q1.3 R2.2 R4.2 R5.2 R10.2 R11.2 R12.2 R13.2 R18.2 TP3.1 U1.37 U2.24 | length 5.4
  Top Layer w0.254: U2.24@43.45,47.535 U2.24@43.802,47.535 ; C12.2@43.975,49.375 43.975,47.708 U2.24@43.802,47.535 ; C11.1@45.45,47.8 45.185,47.535 U2.24@43.802,47.535
  Top Layer w0.305: v1(37.725,59.175) 37.748,59.198 39.048,59.198 U1.37@39.05,59.2
  other v1: 42.85,56.575 43.35,60.3 41.5,60.7 41.65,64.2 43.617,64.95 38.75,66.25 34.65,92.85 35.15,92.85 35.65,92.85 36.15,92.85 34.9,93.35 35.4,93.35 35.9,93.35 34.65,93.85 35.15,93.85 35.65,93.85 36.15,93.85 39.2,95.95
A0: R10.1 R14.2 U1.45 | length 4.7
  Top Layer w0.203: U1.45@39.05,63.2 39.069,63.219 39.977,63.219 40.096,63.338 40.096,63.48 40.27,63.654 41.93,63.654 42.009,63.575 42.475,63.575 ; R14.2@42.475,63.1 42.475,63.575 ; R10.1@42.475,64.05 42.475,63.575
A1: R11.1 R15.2 U1.46 | length 6.4
  Top Layer w0.203: U1.46@39.05,63.7 39.751,63.7 39.847,63.796 39.909,63.796 40.123,64.01 40.927,64.01 41.112,64.195 41.112,64.572 41.27,64.729 42.93,64.729 43.083,64.576 43.083,64.574 43.236,64.421 43.246,64.421 R11.1@43.617,64.05 R15.2@43.617,63.1
A2: R12.1 R16.2 U1.47 | length 8.5
  Top Layer w0.203: U1.47@39.05,64.2 39.031,64.219 37.896,64.219 37.671,64.444 37.671,65.321 37.971,65.621 37.971,66.38 38.37,66.779 40.03,66.779 40.534,66.275 R12.1@41.65,66.275 R16.2@41.65,65.325
A3: R13.1 R17.2 U1.48 | length 3.1
  Top Layer w0.203: U1.48@39.05,64.7 39.069,64.719 39.619,64.719 39.645,64.745 39.675,64.745 40.232,65.302 40.402,65.302 R17.2@40.575,65.475 39.973,66.077 39.823,66.077 R13.1@39.65,66.25
B1: "R21_Balance Circuit1.1" "R22_Balance Circuit1.1" NT1.2 | length 12.7
  Top Layer w0.381: 18.919,2.615 19.999,2.615 21.165,3.781 21.441,3.781 21.725,4.065
  Top Layer w1: NT1.2@9.606,2.615 18.919,2.615
B2: "F2_Balance Circuit1.2" "Q2_Balance Circuit1.2" "R19_Balance Circuit1.1" "R21_Balance Circuit2.1" "R22_Balance Circuit2.1" | length 15.2
  Top Layer w0.203: 14.225,4.84 14.575,4.49 17.775,4.49 21.075,7.79 22.275,7.79 23.825,6.24
  Top Layer w0.381: 18.919,11.215 19.999,11.215 21.165,12.381 21.441,12.381 21.725,12.665
B3: "F2_Balance Circuit2.2" "Q2_Balance Circuit2.2" "R19_Balance Circuit2.1" "R21_Balance Circuit3.1" "R22_Balance Circuit3.1" | length 15.2
  Top Layer w0.203: 14.225,13.44 14.575,13.09 17.775,13.09 21.075,16.39 22.275,16.39 23.825,14.84
  Top Layer w0.381: 18.919,19.815 19.999,19.815 21.165,20.981 21.441,20.981 21.725,21.265